# Allegro board 8880F5-0820_5.brd (continued)
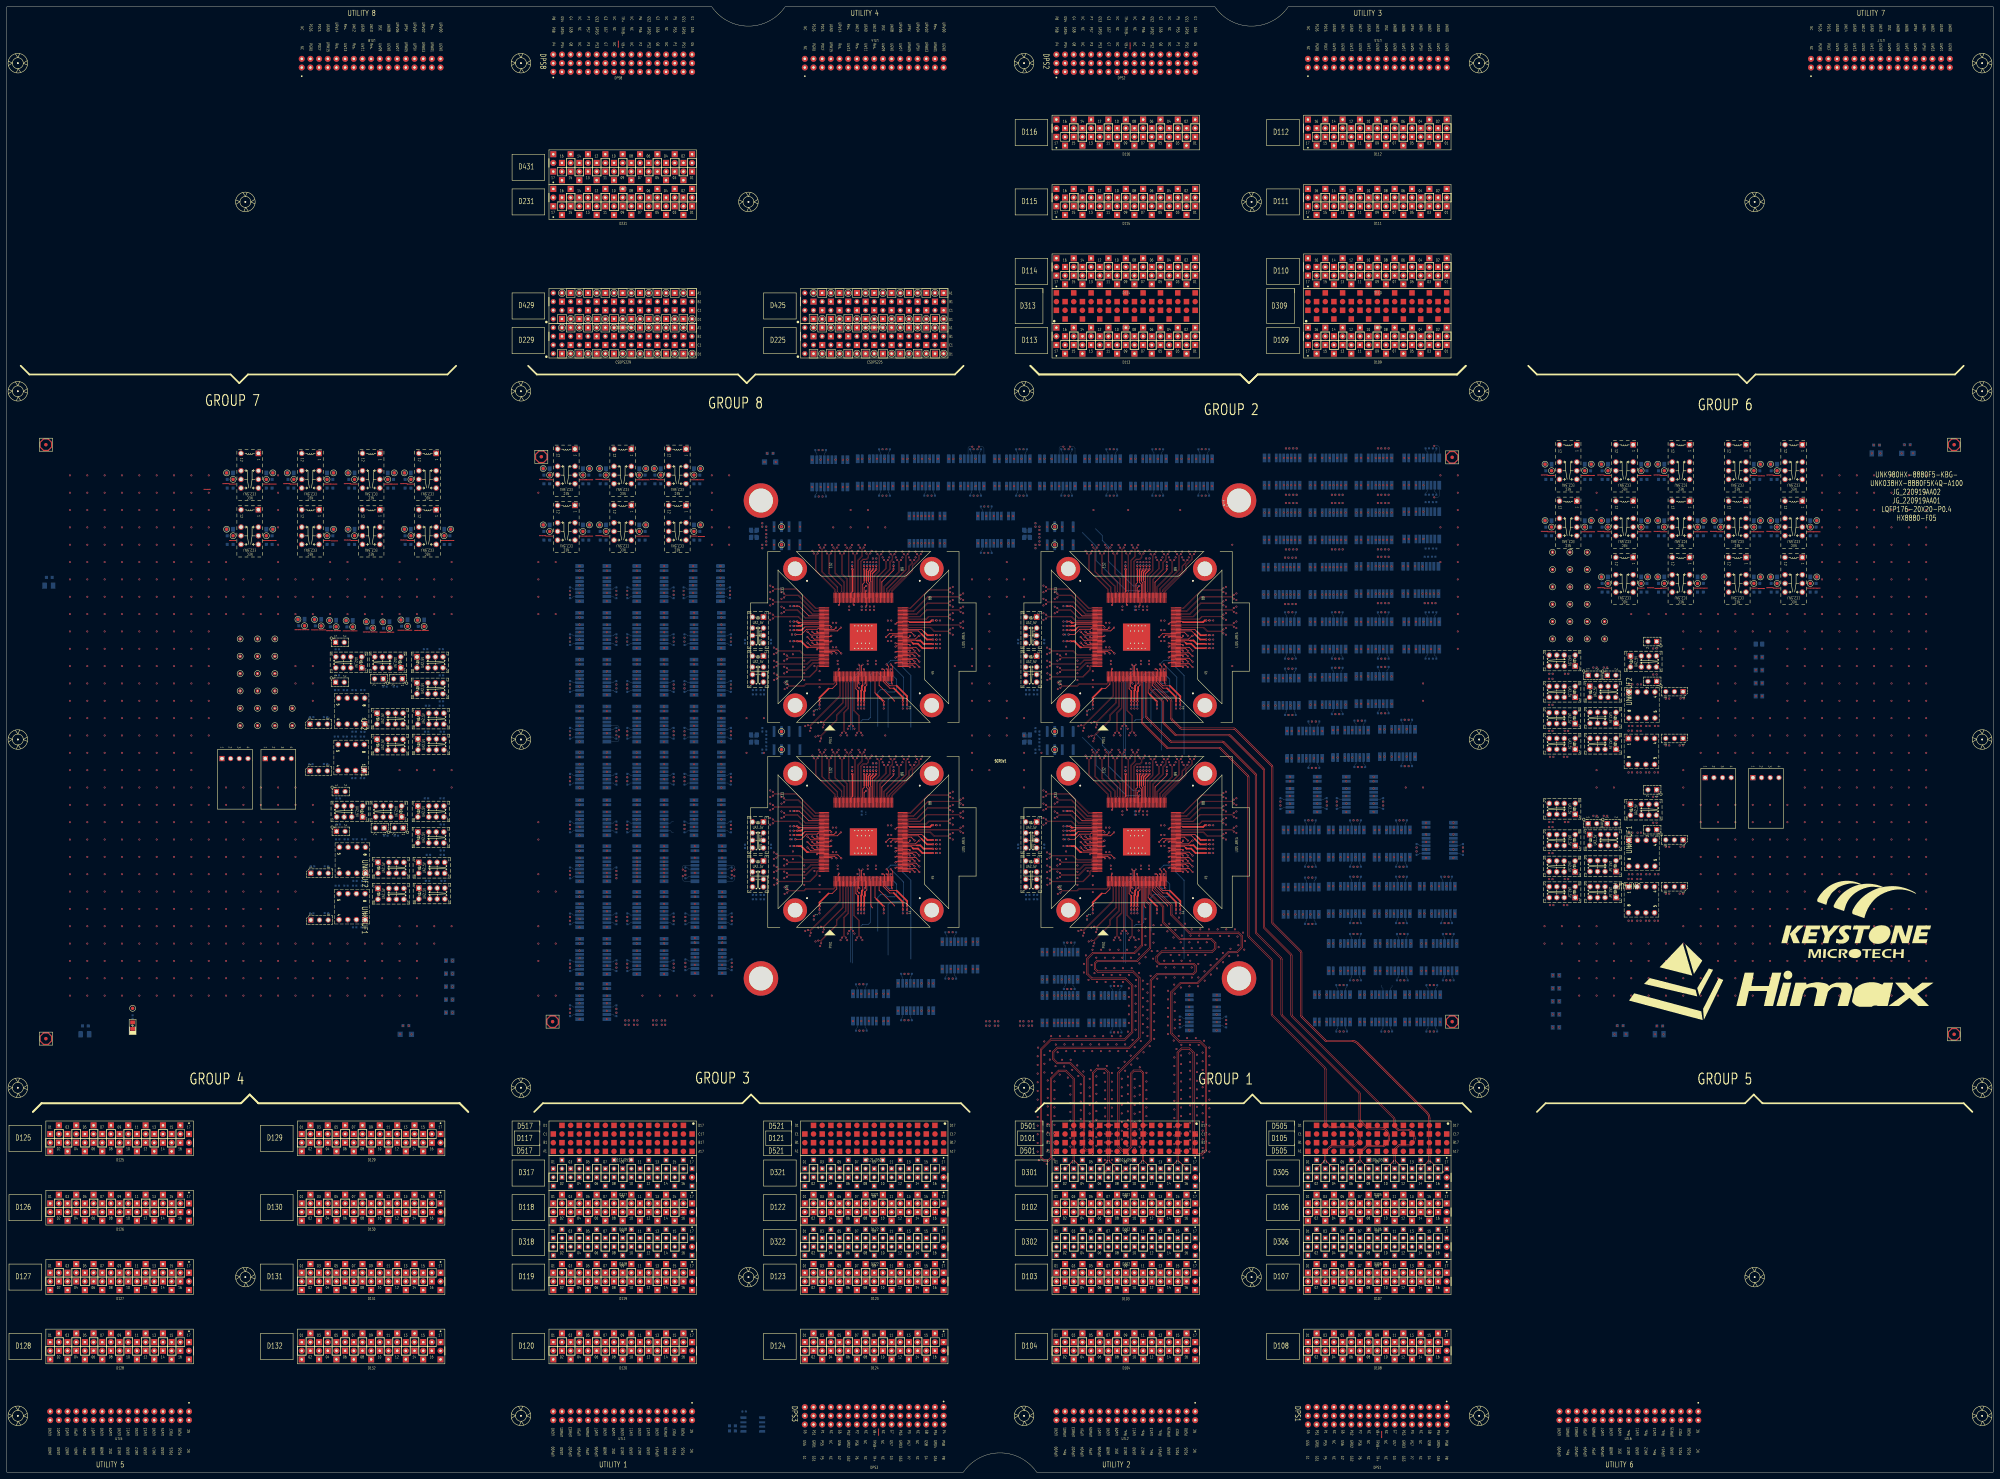
[diagram p0: board, top side]
## Routing (per net, layer and track width the routed paths; a pad name or vN(x,y) marks a point on that pad's centre or on a via; arc(x,y) is an arc through that point) (continued)
D12616: length 457
  TOP w0.086: v1(244.54,216.6) 244.99,217.05 244.99,222.5 246.31,223.82 246.31,231.4 246.23,231.48 SITE1.11
  L03_SIGNAL w0.071: v1(244.54,216.6) 245.01,216.12 245.01,214.89 242.78,212.65 221.24,212.65 217.22,208.63 137.3,208.63 131.97,213.97 131.97,228.8 136.8,233.63 165.73,233.63 166.45,232.91 166.45,230.94 165.77,230.27 165.38,230.27 v2(164.91,230.74)
  L05_SIGNAL w0.071: D126.16 49.71,79.83 47.2,79.83 46.95,80.08 46.95,82.8 48.42,84.27 54.27,84.27 64.37,94.37 64.37,119.29 55.01,128.66 55.01,189.86 74.12,208.98 74.12,215.93 87.37,229.18 128.71,229.18 131.55,232.02 165.85,232.02 166.2,231.67 166.2,230.5 165.97,230.27 165.38,230.27 v2(164.91,230.74)
D12901: length 413.5
  TOP w0.086: SITE3.175 237.68,176.43 237.6,176.35 237.38,176.35 237.01,175.98 237.01,175.08 235.09,173.16 225.91,173.16 v1(225.46,173.61)
  L03_SIGNAL w0.071: v1(225.46,173.61) 224.98,173.14 223.77,173.14 222.72,172.09 222.72,170.28 221.85,169.41 213.14,169.41 211.21,171.34 131.92,171.34 131.33,171.93 131.33,173.4 131.81,173.89 171.54,173.89 173.08,172.34 200.78,172.34 201.76,173.32 201.76,174.27 200.38,175.66 199.16,175.66 v1(198.69,176.13)
  L05_SIGNAL w0.071: v1(198.69,176.13) 199.16,175.66 200.08,175.66 200.7,176.28 200.7,177.07 197.15,180.62 92.44,180.62 81.33,169.51 81.33,93.39 84.49,90.23 87.22,90.23 89.62,92.63 89.62,94.86 89.35,95.14 87.74,95.14 D129.01
D12902: length 413.5
  TOP w0.086: SITE3.170 237.68,178.43 237.61,178.5 228.77,178.5 v1(228.38,178.12)
  L03_SIGNAL w0.071: v1(228.38,178.12) 227.91,178.59 223.46,178.59 219.9,182.14 219.9,194.54 213.01,201.43 169.63,201.43 163.65,195.45 163.65,184.64 167.13,181.16 193.04,181.16 196.52,177.68 203.45,177.68 207.44,173.7 213.98,173.7 217.51,177.23 222.18,177.23 224.39,175.01 225.62,175.01 226.3,174.33 226.3,173.39 227.61,172.08 229.38,172.08 229.82,171.64 229.82,170.06 227.88,168.12 225.71,168.12 216.51,158.92 203.24,158.92 200.16,162 199.16,162 v1(198.69,161.52)
  L05_SIGNAL w0.071: v1(198.69,161.52) 199.16,162 199.44,162 199.91,162.47 199.91,168.58 196.26,172.24 162.48,172.24 161.65,173.07 95.9,173.07 87.16,164.33 87.16,111.42 90.85,107.73 90.85,101.01 D129.02
D12903: length 413.5
  TOP w0.086: SITE3.176 237.68,176.03 237.6,176.11 237.48,176.11 237.25,175.88 237.25,174.98 235.19,172.92 225.91,172.92 v1(225.46,172.46)
  L03_SIGNAL w0.071: v1(198.69,174.99) 199.16,175.46 200.29,175.46 201.56,174.19 201.56,173.4 200.7,172.54 173.16,172.54 171.62,174.09 131.73,174.09 131.13,173.49 131.13,171.84 131.84,171.14 211.12,171.14 213.05,169.21 221.93,169.21 222.92,170.2 222.92,172.01 223.85,172.94 224.98,172.94 v1(225.46,172.46)
  L05_SIGNAL w0.071: v1(198.69,174.99) 199.16,175.46 200.16,175.46 200.9,176.2 200.9,177.15 197.23,180.82 92.36,180.82 81.13,169.59 81.13,93.3 84.4,90.03 87.3,90.03 89.82,92.55 89.82,94.9 D129.03
D12904: length 413.5
  TOP w0.086: v1(228.38,179.26) 228.9,178.74 237.59,178.74 237.68,178.83 SITE3.169
  L03_SIGNAL w0.071: v1(228.38,179.26) 227.91,178.79 227.49,178.79 223.54,178.79 220.1,182.23 220.1,194.62 213.09,201.63 169.55,201.63 163.45,195.53 163.45,184.55 167.04,180.96 192.96,180.96 196.43,177.49 203.37,177.49 207.35,173.5 214.06,173.5 217.59,177.03 222.1,177.03 224.31,174.82 225.54,174.82 226.1,174.25 226.1,173.3 227.52,171.88 229.3,171.88 229.62,171.56 229.62,170.14 227.8,168.32 225.63,168.32 216.43,159.12 203.32,159.12 200.24,162.2 199.16,162.2 v1(198.69,162.67)
  L05_SIGNAL w0.071: v1(198.69,162.67) 199.16,162.2 199.35,162.2 199.71,162.55 199.71,168.5 196.18,172.04 162.4,172.04 161.57,172.87 95.99,172.87 87.36,164.24 87.36,111.5 91.05,107.81 91.05,101.09 91.4,100.73 92.31,100.73 D129.04
D12905: length 413.5
  TOP w0.086: SITE3.172 237.68,177.63 237.6,177.71 235.46,177.71 234.38,176.63 225.85,176.63 v1(225.39,176.18)
  L03_SIGNAL w0.071: v1(225.39,176.18) 224.92,176.65 223.64,176.65 222.52,177.77 220.56,177.77 219.7,178.63 219.7,180.12 218.66,181.17 216.8,181.17 215.39,182.58 215.39,194.69 211.11,198.97 169.98,198.97 169.06,198.04 169.06,186.49 171.13,184.42 210.61,184.42 215.24,179.8 215.24,176.44 214.26,175.46 212.75,175.46 v1(212.28,174.99)
  L05_SIGNAL w0.071: v1(212.28,174.99) 211.81,175.46 210.61,175.46 203.43,182.64 108.95,182.64 106.98,184.61 91.02,184.61 76.66,170.25 76.66,91.78 81.25,87.19 95.17,87.19 99.39,91.42 99.39,94.69 99.02,95.07 97.97,95.07 D129.05
D12906: length 413.5
  TOP w0.086: SITE3.174 237.68,176.83 237.6,176.91 236.1,176.91 234.04,174.85 228.85,174.85 v1(228.4,174.39)
  L03_SIGNAL w0.071: v1(228.4,174.39) 227.93,174.87 227.29,174.87 226.81,175.35 226.81,176.59 227.34,177.12 228.92,177.12 229.36,177.55 229.36,180.29 228,181.65 228,189.2 225.8,191.4 225.8,202.89 222.41,206.28 119.16,206.28 118.01,205.13 118.01,166.54 118.89,165.66 185,165.66 185.6,165.07 185.6,164.3 183.29,162 182.15,162 v1(181.67,161.52)
  L05_SIGNAL w0.071: v1(181.67,161.52) 182.15,162 182.72,162 183.11,162.39 183.11,164.34 182.31,165.14 112.74,165.14 100.99,153.39 100.99,100.99 D129.06
D12907: length 413.5
  TOP w0.086: v1(225.39,177.32) 225.85,176.87 234.29,176.87 235.37,177.95 237.6,177.95 237.68,178.03 SITE3.171
  L03_SIGNAL w0.071: v1(212.28,176.13) 212.75,175.66 214.17,175.66 215.04,176.52 215.04,179.71 210.53,184.23 171.04,184.23 168.86,186.41 168.86,198.13 169.9,199.17 211.19,199.17 215.58,194.78 215.58,182.66 216.88,181.36 218.74,181.36 219.9,180.2 219.9,178.71 220.65,177.97 222.6,177.97 223.72,176.85 224.92,176.85 v1(225.39,177.32)
  L05_SIGNAL w0.071: D129.07 99.59,94.51 99.59,91.33 95.25,86.99 81.17,86.99 76.46,91.7 76.46,170.34 90.94,184.81 107.06,184.81 109.04,182.84 203.51,182.84 210.69,175.66 211.81,175.66 v1(212.28,176.13)
D12908: length 413.5
  TOP w0.086: SITE3.173 237.68,177.23 237.6,177.15 236,177.15 233.94,175.08 228.85,175.08 v1(228.4,175.54)
  L03_SIGNAL w0.071: v1(228.4,175.54) 227.93,175.06 227.38,175.06 227.01,175.44 227.01,176.5 227.42,176.92 229,176.92 229.55,177.47 229.55,180.37 228.19,181.73 228.19,189.29 226,191.48 226,202.97 222.5,206.48 119.08,206.48 117.81,205.21 117.81,166.45 118.8,165.46 184.92,165.46 185.4,164.98 185.4,164.38 183.21,162.2 182.15,162.2 v1(181.67,162.67)
  L05_SIGNAL w0.071: v1(181.67,162.67) 182.15,162.2 182.64,162.2 182.91,162.47 182.91,164.26 182.23,164.94 112.82,164.94 101.19,153.31 101.19,101.06 101.69,100.57 102.63,100.57 D129.08
D12909: length 457
  TOP w0.086: v1(245.68,156.6) 245.23,157.05 245.23,162.4 246.55,163.72 246.55,171.4 246.63,171.48 SITE3.12
  L03_SIGNAL w0.071: v1(181.67,147.81) 182.15,148.28 183.55,148.28 186.79,151.52 204.1,151.52 204.88,152.31 204.88,155.03 203.96,155.95 200.04,155.95 199.73,155.64 153.07,155.64 152.53,156.18 152.53,157.23 153,157.69 229.77,157.69 232.07,159.99 235.49,159.99 239.1,163.6 239.1,201.52 240.75,203.17 264.3,203.17 265,202.47 265,163.69 261.92,160.61 244.29,160.61 243.16,159.48 243.16,155.24 243.79,154.6 244.78,154.6 245.21,155.03 245.21,156.12 v1(245.68,156.6)
  L05_SIGNAL w0.071: v1(181.67,147.81) 181.2,148.28 180.2,148.28 177.31,151.16 145.35,151.16 132.5,138.32 132.5,93.61 128.28,89.39 110.78,89.39 108.77,91.4 108.77,94.43 D129.09
D12910: length 413.5
  TOP w0.086: SITE3.2 242.63,171.48 242.55,171.4 242.55,171.18 242.13,170.76 234.03,170.76 233.52,170.25 228.97,170.25 v1(228.51,169.79)
  L03_SIGNAL w0.071: v1(228.51,169.79) 228.04,170.26 225.32,170.26 214.99,159.94 212.43,159.94 206.84,165.53 198.72,165.53 197.16,163.97 197.16,162.6 196.56,162 195.73,162 v1(195.26,161.52)
  L05_SIGNAL w0.071: v1(195.26,161.52) 195.73,162 196.76,162 197.58,161.18 197.58,159.85 196.59,158.86 109.9,158.86 103.53,152.49 103.53,107.92 104.22,107.22 105.34,107.22 105.93,107.81 105.93,152.88 106.62,153.56 107.39,153.56 107.9,153.05 107.9,109.18 108.83,108.25 110.39,108.25 111.06,108.91 111.06,157.01 111.56,157.51 112.86,157.51 113.23,157.14 113.23,107.96 111.59,106.32 111.59,101.43 D129.10
D12911: length 457
  TOP w0.086: SITE3.11 246.23,171.48 246.31,171.4 246.31,163.82 244.99,162.5 244.99,157.05 v1(244.54,156.6)
  L03_SIGNAL w0.071: v1(181.67,148.95) 182.15,148.48 183.47,148.48 186.71,151.72 204.02,151.72 204.68,152.39 204.68,154.95 203.88,155.76 200.13,155.76 199.81,155.44 152.99,155.44 152.33,156.09 152.33,157.31 152.91,157.89 229.69,157.89 231.99,160.19 235.4,160.19 238.9,163.68 238.9,201.6 240.67,203.37 264.38,203.37 265.2,202.55 265.2,163.61 262,160.41 244.38,160.41 243.36,159.4 243.36,155.32 243.88,154.8 244.7,154.8 245.01,155.11 245.01,156.12 v1(244.54,156.6)
  L05_SIGNAL w0.071: v1(181.67,148.95) 181.2,148.48 180.28,148.48 177.4,151.36 145.27,151.36 132.31,138.4 132.31,93.69 128.2,89.59 110.86,89.59 108.96,91.49 108.96,94.36 109.31,94.71 109.95,94.71 D129.11
D12912: length 413.5
  TOP w0.086: v1(228.51,170.93) 228.95,170.49 233.42,170.49 233.93,171 242.03,171 242.31,171.28 242.31,171.4 242.23,171.48 SITE3.1
  L03_SIGNAL w0.071: v1(195.26,162.67) 195.73,162.2 196.47,162.2 196.96,162.69 196.96,164.05 198.63,165.72 206.92,165.72 212.51,160.13 214.91,160.13 225.24,170.46 228.04,170.46 v1(228.51,170.93)
  L05_SIGNAL w0.071: D129.12 111.78,101.58 111.78,106.23 113.43,107.88 113.43,157.22 112.94,157.71 111.48,157.71 110.86,157.09 110.86,109 110.31,108.45 108.91,108.45 108.1,109.26 108.1,153.13 107.47,153.76 106.53,153.76 105.73,152.96 105.73,107.89 105.26,107.42 104.31,107.42 103.72,108 103.72,152.41 109.98,158.66 196.67,158.66 197.78,159.77 197.78,161.26 196.84,162.2 195.73,162.2 v1(195.26,162.67)
D12913: length 457
  TOP w0.086: v1(239.21,158.99) 239.21,159.63 244.95,165.37 244.95,171.4 245.03,171.48 SITE3.8
  L03_SIGNAL w0.071: v1(198.69,148.06) 199.16,148.53 200.53,148.53 201.36,147.7 205.59,147.7 214.52,156.63 230.23,156.63 232.97,159.38 235.43,159.38 237.41,157.4 239.24,157.4 240.12,158.29 240.12,162.24 242.39,164.5 242.39,180.1 242.77,180.49 246.95,180.49 247.77,181.31 247.77,183.6 246.69,184.68 244.75,184.68 244.21,185.21 244.21,186.3 244.91,187 255.87,187 256.69,187.82 256.69,188.89 255.88,189.7 242.76,189.7 242.47,189.99 242.47,190.71 243.04,191.28 262.58,191.28 263.25,191.96 263.25,193.09 262.59,193.75 242.39,193.75 241.83,194.31 241.83,195.44 242.79,196.39 262.66,196.39 263.34,197.07 263.34,198.22 262.87,198.69 241.89,198.69 241.33,199.25 241.33,200.05 241.91,200.62 262.61,200.62 263,201.01 263,201.92 262.54,202.37 241.6,202.37 240.22,200.99 240.22,164.1 236.69,160.57 236.69,159.2 237.32,158.56 238.11,158.56 238.54,158.99 v1(239.21,158.99)
  L05_SIGNAL w0.071: D129.13 117.99,95.37 117.99,93.17 119.86,91.3 126.98,91.3 129.69,94.01 129.69,142.58 140.72,153.62 192.7,153.62 197.78,148.53 198.22,148.53 v1(198.69,148.06)
D12914: length 413.5
  TOP w0.086: v1(225.36,180.02) 225.84,180.5 232.15,180.5 233.34,179.31 237.6,179.31 237.68,179.23 SITE3.168
  L03_SIGNAL w0.071: v1(225.36,180.02) 224.89,180.49 224.15,180.49 222.75,181.89 222.75,197.44 215.91,204.28 130.85,204.28 122.37,195.8 122.37,170.49 123.38,169.47 165.04,169.47 166.78,167.73 212.18,167.73 214.18,165.74 214.18,162.66 213.52,162 212.75,162 v1(212.28,161.52)
  L05_SIGNAL w0.071: D129.14 120.95,100.63 121.22,100.63 122.02,101.43 122.02,145.08 134.32,157.38 210.59,157.38 213.97,160.77 213.97,161.56 213.53,162 212.75,162 v1(212.28,161.52)
D12915: length 457
  TOP w0.086: v1(238.4,159.8) 239.04,159.8 244.71,165.47 244.71,171.4 244.63,171.48 SITE3.7
  L03_SIGNAL w0.071: v1(198.69,149.21) 199.16,148.73 200.61,148.73 201.45,147.9 205.51,147.9 214.44,156.83 230.15,156.83 232.89,159.57 235.51,159.57 237.49,157.6 239.15,157.6 239.93,158.37 239.93,162.32 242.19,164.59 242.19,180.19 242.69,180.69 246.87,180.69 247.57,181.39 247.57,183.51 246.61,184.48 244.67,184.48 244.02,185.13 244.02,186.38 244.83,187.2 255.79,187.2 256.49,187.9 256.49,188.81 255.8,189.5 242.67,189.5 242.27,189.9 242.27,190.8 242.95,191.48 262.49,191.48 263.06,192.04 263.06,193.01 262.51,193.56 242.3,193.56 241.64,194.22 241.64,195.52 242.71,196.59 262.58,196.59 263.14,197.15 263.14,198.14 262.79,198.49 241.81,198.49 241.14,199.16 241.14,200.13 241.83,200.82 262.53,200.82 262.8,201.09 262.8,201.84 262.46,202.17 241.68,202.17 240.42,200.91 240.42,164.02 236.89,160.49 236.89,159.28 237.41,158.76 238.03,158.76 238.4,159.13 v1(238.4,159.8)
  L05_SIGNAL w0.071: D129.15 120.83,95.43 119.25,95.43 118.19,94.37 118.19,93.25 119.94,91.5 126.9,91.5 129.49,94.09 129.49,142.66 140.64,153.81 192.78,153.81 197.86,148.73 198.22,148.73 v1(198.69,149.21)
D12916: length 413.5
  TOP w0.086: SITE3.167 237.68,179.63 237.6,179.55 233.44,179.55 232.25,180.74 225.78,180.74 v1(225.36,181.16)
  L03_SIGNAL w0.071: v1(212.28,162.67) 212.75,162.2 213.44,162.2 213.98,162.74 213.98,165.65 212.1,167.54 166.69,167.54 164.96,169.27 123.3,169.27 122.17,170.41 122.17,195.88 130.77,204.48 215.99,204.48 222.95,197.53 222.95,181.97 224.23,180.69 224.89,180.69 v1(225.36,181.16)
  L05_SIGNAL w0.071: v1(212.28,162.67) 212.75,162.2 213.61,162.2 214.17,161.64 214.17,160.68 210.67,157.19 134.4,157.19 122.22,145 122.22,101.3 D129.16
D13009: length 457
  TOP w0.086: SITE3.16 248.23,171.48 248.15,171.4 248.15,163.18 249.68,161.65 249.68,157.05 v1(250.13,156.61)
  L03_SIGNAL w0.071: v1(164.91,134.6) 165.38,135.07 166.64,135.07 168.58,133.13 168.58,120.69 176.05,113.22 252.63,113.22 253.76,114.34 253.76,115.43 252.83,116.36 175.96,116.36 175.09,117.24 175.09,118.45 175.84,119.2 250.59,119.2 252.18,120.79 252.18,122.86 250.74,124.29 241.95,124.29 239.08,127.16 239.08,133.56 249.66,144.13 249.66,156.13 v1(250.13,156.61)
  L05_SIGNAL w0.071: D130.09 108.85,74.03 108.85,69.49 110.87,67.46 132.85,67.46 143.26,77.87 143.26,129.55 148.78,135.07 164.44,135.07 v1(164.91,134.6)
D13010: length 457
  TOP w0.086: SITE3.10 245.83,171.48 245.75,171.4 245.75,164.32 243.1,161.66 243.1,160.24 238.42,155.56 v1(238.42,154.92)
  L03_SIGNAL w0.071: v1(195.26,147.81) 195.73,148.28 196.56,148.28 196.9,147.94 196.9,145.87 197.42,145.35 209.55,145.35 210.49,144.42 210.49,143.17 209.75,142.43 153.39,142.43 152.28,141.32 152.28,139.16 153.34,138.09 239.09,138.09 240.46,139.47 240.46,140.84 239.87,141.43 228.57,141.43 228.04,141.96 228.04,142.87 228.96,143.78 242.83,143.78 243.35,144.31 243.35,145.43 242.81,145.98 227.85,145.98 227.45,146.38 227.45,147.22 227.76,147.54 245.65,147.54 246.17,148.07 246.17,148.61 245.69,149.09 227.97,149.09 227.49,149.57 227.49,150.9 227.9,151.31 244.87,151.31 245.32,151.76 245.32,152.38 244.85,152.84 237.21,152.84 236.75,153.3 236.75,153.92 237.75,154.92 v1(238.42,154.92)
  L05_SIGNAL w0.071: v1(195.26,147.81) 195.73,148.28 196.05,148.28 196.72,147.61 196.72,146.18 195.01,144.47 144.95,144.47 135.56,135.08 135.56,93.67 130.09,88.2 113.54,88.2 111.61,86.27 111.61,81.13 D130.10
D13011: length 457
  TOP w0.086: v1(248.99,156.61) 249.45,157.06 249.45,161.55 247.91,163.08 247.91,171.4 247.83,171.48 SITE3.15
  L03_SIGNAL w0.071: v1(164.91,135.74) 165.38,135.27 166.73,135.27 168.78,133.22 168.78,120.77 176.13,113.41 252.55,113.41 253.56,114.42 253.56,115.35 252.75,116.16 175.88,116.16 174.89,117.15 174.89,118.53 175.76,119.4 250.51,119.4 251.98,120.88 251.98,122.77 250.66,124.1 241.86,124.1 238.88,127.08 238.88,133.64 249.46,144.22 249.46,156.13 v1(248.99,156.61)
  L05_SIGNAL w0.071: v1(164.91,135.74) 164.44,135.27 148.7,135.27 143.06,129.63 143.06,77.96 132.77,67.66 110.95,67.66 109.05,69.57 109.05,74.25 109.79,75 110.56,75 D130.11
D13012: length 457
  TOP w0.086: v1(237.61,155.73) 238.25,155.73 242.86,160.34 242.86,161.76 245.51,164.41 245.51,171.4 245.43,171.48 SITE3.9
  L03_SIGNAL w0.071: v1(237.61,155.73) 237.61,155.06 236.55,154 236.55,153.22 237.13,152.64 244.77,152.64 245.12,152.29 245.12,151.85 244.78,151.51 227.82,151.51 227.3,150.98 227.3,149.49 227.89,148.89 245.61,148.89 245.98,148.53 245.98,148.15 245.56,147.74 227.68,147.74 227.25,147.31 227.25,146.3 227.77,145.78 242.73,145.78 243.15,145.35 243.15,144.39 242.74,143.98 228.87,143.98 227.84,142.95 227.84,141.87 228.49,141.23 239.79,141.23 240.27,140.76 240.27,139.55 239,138.29 153.43,138.29 152.48,139.24 152.48,141.24 153.47,142.23 209.83,142.23 210.68,143.08 210.68,144.5 209.64,145.55 197.5,145.55 197.1,145.95 197.1,148.02 196.64,148.48 195.73,148.48 v1(195.26,148.95)
  L05_SIGNAL w0.071: D130.12 111.8,81.24 111.8,86.18 113.62,88 130.17,88 135.76,93.59 135.76,134.99 145.04,144.27 195.1,144.27 196.92,146.1 196.92,147.69 196.13,148.48 195.73,148.48 v1(195.26,148.95)
D13013: length 457
  TOP w0.086: v1(247.8,158.55) 247.35,159 247.35,171.4 247.43,171.48 SITE3.14
  L03_SIGNAL w0.071: v1(178.5,134.6) 178.97,135.07 198.26,135.07 199.66,133.67 199.66,131.37 198.21,129.92 172.89,129.92 171.98,129.01 171.98,127.89 173.18,126.69 233.89,126.69 234.87,125.71 234.87,124.62 233.36,123.11 172.58,123.11 171.88,122.41 171.88,121.18 172.77,120.28 248.69,120.28 249.36,120.95 249.36,122.51 248.86,123.01 239.37,123.01 236.59,125.78 236.59,133.82 247.33,144.55 247.33,158.07 v1(247.8,158.55)
  L05_SIGNAL w0.071: v1(178.5,134.6) 178.03,135.07 176.57,135.07 171.01,140.63 150.58,140.63 140.53,130.59 140.53,81.26 128.8,69.52 120.69,69.52 118.93,71.28 118.93,74.11 D130.13
D13014: length 457
  TOP w0.086: v1(235.41,157.99) 235.41,158.63 244.15,167.37 244.15,171.4 244.23,171.48 SITE3.6
  L03_SIGNAL w0.071: v1(212.28,148.06) 212.75,148.53 213.66,148.53 220.92,155.79 232.54,155.79 234.74,157.99 v1(235.41,157.99)
  L05_SIGNAL w0.071: D130.14 121.78,81.14 121.78,85.45 122.77,86.44 131.57,86.44 138.29,93.15 138.29,133.36 147.33,142.41 199.98,142.41 208.22,134.16 208.22,131.02 205.88,128.69 150.75,128.69 149.97,127.91 149.97,126.93 150.98,125.92 196.94,125.92 198.25,124.62 198.25,121.35 197.05,120.15 148.38,120.15 147.61,119.39 147.61,117.87 148.27,117.21 208.99,117.21 214.39,122.61 214.39,147.85 213.7,148.53 212.75,148.53 v1(212.28,148.06)
D13015: length 457
  TOP w0.086: v1(246.65,158.55) 247.11,159 247.11,171.4 247.03,171.48 SITE3.13
  L03_SIGNAL w0.071: v1(246.65,158.55) 247.13,158.07 247.13,144.64 236.39,133.9 236.39,125.7 239.28,122.81 248.78,122.81 249.16,122.43 249.16,121.03 248.61,120.48 172.86,120.48 172.07,121.26 172.07,122.33 172.66,122.91 233.44,122.91 235.07,124.54 235.07,125.79 233.97,126.89 173.26,126.89 172.18,127.97 172.18,128.93 172.98,129.73 198.29,129.73 199.86,131.29 199.86,133.75 198.34,135.27 178.97,135.27 v1(178.5,135.74)
  L05_SIGNAL w0.071: D130.15 120.1,74.38 119.47,74.38 119.13,74.04 119.13,71.37 120.78,69.72 128.71,69.72 140.34,81.34 140.34,130.67 150.5,140.83 171.09,140.83 176.65,135.27 178.03,135.27 v1(178.5,135.74)
D13016: length 457
  TOP w0.086: SITE3.5 243.83,171.48 243.91,171.4 243.91,167.47 235.24,158.8 v1(234.6,158.8)
  L03_SIGNAL w0.071: v1(212.28,149.21) 212.75,148.73 213.58,148.73 220.83,155.99 232.46,155.99 234.6,158.13 v1(234.6,158.8)
  L05_SIGNAL w0.071: D130.16 121.98,81.22 121.98,85.36 122.85,86.24 131.65,86.24 138.49,93.07 138.49,133.28 147.41,142.21 199.89,142.21 208.02,134.08 208.02,131.11 205.8,128.88 150.66,128.88 149.77,127.99 149.77,126.85 150.9,125.72 196.86,125.72 198.05,124.54 198.05,121.44 196.96,120.35 148.29,120.35 147.41,119.47 147.41,117.79 148.19,117.02 209.08,117.02 214.59,122.53 214.59,147.93 213.78,148.73 212.75,148.73 v1(212.28,149.21)
D30102: length 192.4
  TOP w0.147: SITE4.26 332.23,171.33 332.23,171.32 332.23,154.41 330.09,152.27 317.97,152.27 316.2,150.5 316.2,145.88 317.69,144.39 327.5,144.39 329.35,142.53 329.35,129.01 327.28,126.94 305.68,126.94 302.65,123.91 302.65,92.06 303.61,91.1 305.06,91.1 305.98,92.01 305.98,115.27 308.09,117.38 310.02,117.38 312.23,115.17 312.23,91.25 D301.02
D30104: length 192.4
  TOP w0.147: SITE4.27 332.63,171.33 332.63,171.32 332.63,154.25 330.26,151.87 318.14,151.87 316.59,150.33 316.59,146.04 317.85,144.79 327.66,144.79 329.75,142.7 329.75,128.84 327.45,126.54 305.84,126.54 303.04,123.74 303.04,92.22 303.77,91.49 304.9,91.49 305.58,92.18 305.58,115.43 307.92,117.77 310.19,117.77 312.62,115.34 312.62,91.24 D301.04
D30106: length 192.4
  TOP w0.147: D301.06 322.4,91.26 322.4,117.03 321.48,117.94 319.32,117.94 318.27,116.89 318.27,94.75 317.59,94.07 315.96,94.07 315.26,94.77 315.26,115.69 311.31,119.63 307.51,119.63 306.22,120.92 306.22,123.2 307.53,124.52 328.63,124.52 331.47,127.36 331.47,144.67 329.68,146.45 319.35,146.45 318.43,147.37 318.43,149.16 319.21,149.93 330.87,149.93 334.59,153.65 334.59,166.07 333.43,167.23 333.43,171.32 333.43,171.33 SITE4.29
D30108: length 192.4
  TOP w0.147: D301.08 322.8,91.22 322.8,117.19 321.65,118.34 319.16,118.34 317.87,117.05 317.87,94.91 317.43,94.47 316.12,94.47 315.66,94.94 315.66,115.85 311.48,120.03 307.67,120.03 306.61,121.09 306.61,123.04 307.7,124.12 328.79,124.12 331.86,127.2 331.86,144.83 329.85,146.85 319.51,146.85 318.83,147.53 318.83,148.99 319.37,149.53 331.03,149.53 334.99,153.49 334.99,166.23 333.83,167.39 333.83,171.32 333.83,171.33 SITE4.30
D30110: length 192.4
  TOP w0.147: D301.10 332.52,91.22 332.52,116.86 331.95,117.43 330.13,117.43 329.46,116.76 329.46,95.2 328.21,93.95 326.62,93.95 325.3,95.27 325.3,117.11 334.79,126.6 334.79,144.16 336.73,146.1 347.3,146.1 347.92,146.71 347.92,148.21 347.49,148.64 337.46,148.64 336.46,149.65 336.46,151.04 338.13,152.71 352.9,152.71 353.66,153.48 353.66,154.92 352.57,156.01 343.39,156.01 338.41,160.98 338.41,165.56 334.63,169.34 334.63,171.32 334.63,171.33 SITE4.32
D30112: length 192.4
  TOP w0.147: SITE4.33 335.03,171.33 335.03,171.32 335.03,169.51 338.81,165.73 338.81,161.15 343.55,156.4 352.74,156.4 354.06,155.08 354.06,153.31 353.06,152.32 338.29,152.32 336.85,150.88 336.85,149.81 337.63,149.04 347.66,149.04 348.31,148.38 348.31,146.55 347.47,145.7 336.9,145.7 335.19,143.99 335.19,126.43 325.7,116.95 325.7,95.43 326.78,94.35 328.05,94.35 329.06,95.36 329.06,116.92 329.96,117.83 332.11,117.83 332.51,117.43 332.91,117.03 332.91,91.27 D301.12
D30114: length 192.4
  TOP w0.147: D301.14 342.67,91.21 342.67,123.01 343.95,124.28 346.39,124.28 347.71,122.97 347.71,94.34 348.74,93.3 349.87,93.3 350.95,94.39 350.95,124.34 349.31,125.98 343.27,125.98 340.81,128.44 340.81,140.68 343.64,143.52 348.62,143.52 357.65,152.54 360.15,152.54 361.42,153.82 361.42,156.96 360.55,157.83 346.18,157.83 340.81,163.21 340.81,165.98 335.83,170.95 335.83,171.32 335.83,171.33 SITE4.35
D30116: length 192.4
  TOP w0.147: SITE4.36 336.23,171.33 336.23,171.32 336.23,171.12 341.2,166.14 341.2,163.37 346.35,158.23 360.72,158.23 361.82,157.12 361.82,153.65 360.31,152.15 357.81,152.15 348.79,143.12 343.81,143.12 341.2,140.52 341.2,128.61 343.43,126.38 349.47,126.38 351.35,124.5 351.35,94.22 350.03,92.91 348.58,92.91 347.31,94.17 347.31,122.81 346.23,123.89 344.11,123.89 343.07,122.84 343.07,91.27 D301.16
D30502: length 192.4
  TOP w0.147: SITE2.26 332.23,231.33 332.23,231.32 332.23,219.76 arc(332.29,219.48) 332.45,219.24 339.52,212.17 arc(339.76,212.01) 340.04,211.95 355.02,211.95 arc(355.15,211.93) 355.26,211.85 363.26,203.86 arc(363.34,203.74) 363.36,203.61 363.36,157.18 arc(363.42,156.9) 363.58,156.66 370.12,150.11 arc(370.2,150) 370.22,149.87 370.22,134.19 arc(370.28,133.9) 370.44,133.66 385.85,118.25 arc(385.92,118.14) 385.95,118.01 385.95,102.48 arc(386,102.2) 386.16,101.96 386.98,101.14 arc(387.22,100.98) 387.5,100.93 393.91,100.93 arc(394.36,100.84) 394.75,100.58 395.1,100.22 arc(395.74,99.27) 395.96,98.15 395.96,98.15 arc(395.8,97.35) 395.35,96.67 394.44,95.76 arc(394.33,95.68) 394.19,95.66 387.9,95.66 arc(387.62,95.6) 387.38,95.44 386.07,94.13 arc(385.91,93.89) 385.85,93.61 385.85,91.52 arc(385.8,91.24) 385.64,91 D305.02
D30504: length 192.4
  TOP w0.147: SITE2.27 332.63,231.33 332.63,231.32 332.63,219.76 arc(332.65,219.63) 332.73,219.52 339.8,212.45 arc(339.91,212.38) 340.04,212.35 355.02,212.35 arc(355.31,212.29) 355.55,212.13 363.54,204.14 arc(363.7,203.9) 363.76,203.61 363.76,157.18 arc(363.78,157.05) 363.86,156.94 370.4,150.39 arc(370.56,150.16) 370.62,149.87 370.62,134.19 arc(370.64,134.05) 370.72,133.94 386.13,118.53 arc(386.29,118.29) 386.34,118.01 386.34,102.48 arc(386.37,102.35) 386.44,102.24 387.26,101.42 arc(387.37,101.35) 387.5,101.32 393.91,101.32 arc(394.52,101.2) 395.03,100.86 395.38,100.51 arc(396.11,99.43) 396.36,98.15 396.36,98.15 arc(396.17,97.2) 395.63,96.39 394.72,95.48 arc(394.48,95.32) 394.19,95.26 387.9,95.26 arc(387.77,95.24) 387.66,95.16 386.35,93.85 arc(386.28,93.74) 386.25,93.61 386.25,91.57 arc(386.31,91.29) 386.47,91.05 D305.04
D30506: length 192.4
  TOP w0.147: D305.06 395.8,91 arc(395.96,91.24) 396.01,91.52 396.01,93.35 arc(396.07,93.64) 396.23,93.88 397.9,95.55 arc(398.14,95.71) 398.42,95.77 403,95.77 arc(403.23,95.81) 403.43,95.95 404.01,96.52 arc(404.38,97.08) 404.51,97.73 404.51,98.2 arc(404.31,99.21) 403.74,100.07 arc(403.24,100.4) 402.65,100.52 398.73,100.52 arc(398.45,100.57) 398.21,100.73 396.16,102.78 arc(396,103.02) 395.94,103.3 395.94,110.85 arc(395.92,110.98) 395.84,111.09 373.28,133.65 arc(373.12,133.89) 373.07,134.17 373.07,150.26 arc(373.04,150.39) 372.97,150.5 365.78,157.69 arc(365.62,157.93) 365.56,158.21 365.56,204.16 arc(365.54,204.29) 365.46,204.4 356.18,213.68 arc(356.07,213.75) 355.94,213.78 341.07,213.78 arc(340.79,213.83) 340.55,213.99 333.65,220.9 arc(333.49,221.14) 333.43,221.42 333.43,231.32 333.43,231.33 SITE2.29